# Altium PCB POETIC_Processor_V2a.PcbDoc (part 2 of 3) (continued)
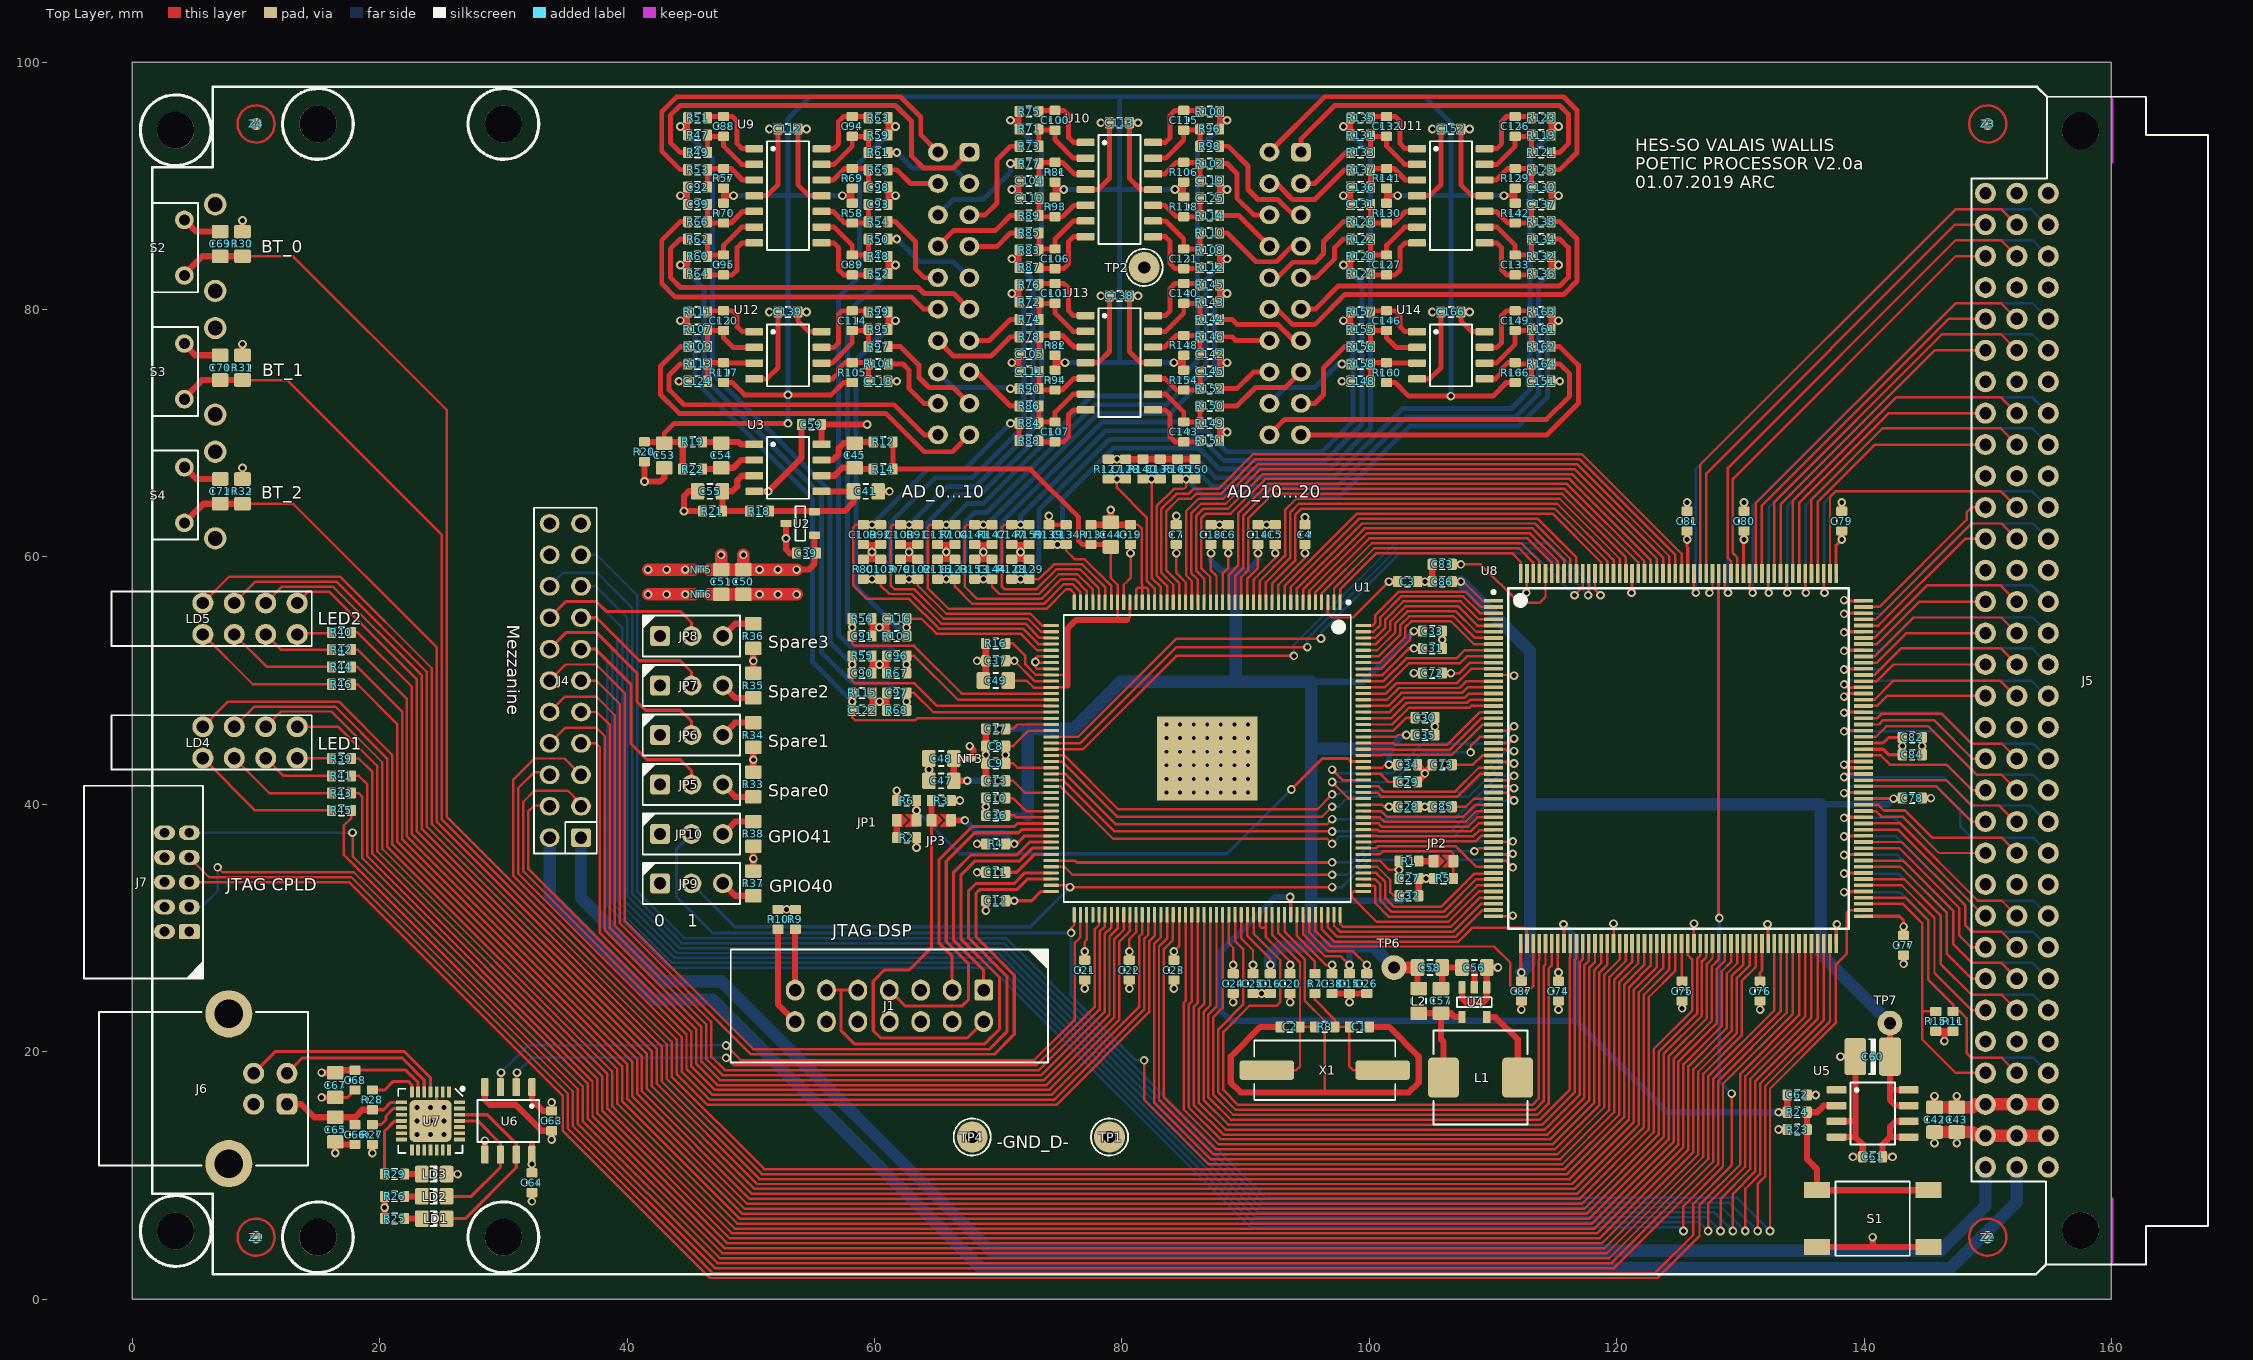
[diagram p0: Top Layer view]
## Nets (pads, with @x,y where several pads share a name; then routed paths per layer and width w, separated by ;. In a path a pad name is that pad's centre, name@x,y a point inside that pad or via, vN(x,y) a via of type N, cw(c..) or ccw(c..) an arc to the next point about the centre after c; other vN are vias at no path point) (continued)
BP_GPIO_11: J5.A27 U8.112 | length 24.9
  Top Layer w0.25: v1(138.4,34.4) 138.45,34.45 U8.112@139.95,34.45
  Bottom Layer w0.2: v1(138.4,34.4) 142.8,34.4 146.2,31 146.2,27.1 148.7,24.6 153.66,24.6 J5.A27@154.9,23.36
BP_GPIO_13: J5.B14 U8.150 | length 14.7
  Top Layer w0.2: U8.150@139.95,53.45 140.85,53.45 145.1,57.7 151.04,57.7 J5.B14@152.36,56.38
BP_GPIO_14: J5.B15 U8.147 | length 14.2
  Top Layer w0.2: U8.147@139.95,51.95 140.85,51.95 144,55.1 151.1,55.1 J5.B15@152.36,53.84
BP_GPIO_15: J5.B16 U8.144 | length 13.8
  Top Layer w0.2: U8.144@139.95,50.45 140.85,50.45 143,52.6 151.06,52.6 J5.B16@152.36,51.3
BP_GPIO_16: J5.B17 U8.140 | length 13.6
  Top Layer w0.2: U8.140@139.95,48.45 140.85,48.45 142.4,50 150.98,50 J5.B17@152.36,48.62
BP_GPIO_17: J5.B19 U8.137 | length 14.1
  Top Layer w0.2: U8.137@139.95,46.95 141.05,46.95 141.4,47.3 146.3,47.3 148.7,44.9 151.14,44.9 J5.B19@152.36,43.68
BP_GPIO_18: J5.B20 U8.134 | length 14.9
  Top Layer w0.2: U8.134@139.95,45.45 140.95,45.45 141.8,46.3 145.2,46.3 149.1,42.4 151.1,42.4 J5.B20@152.36,41.14
BP_GPIO_19: J5.B21 U8.127 | length 13.9
  Top Layer w0.2: U8.127@139.95,41.95 146.65,41.95 148.7,39.9 150.92,39.9 J5.B21@152.36,38.46
BP_GPIO_20: J5.B22 U8.123 | length 14
  Top Layer w0.2: U8.123@139.95,39.95 141.15,39.95 141.6,39.5 ; 143.3,39.5 145.5,37.3 151.12,37.3 J5.B22@152.36,36.06
  Top Layer w0.25: 141.6,39.5 143.3,39.5
BP_GPIO_21: J5.B24 U8.120 | length 15.5
  Top Layer w0.2: U8.120@139.95,38.45 142.95,38.45 149.2,32.2 151.14,32.2 J5.B24@152.36,30.98
BP_GPIO_22: J5.B25 U8.117 | length 16.9
  Top Layer w0.2: U8.117@139.95,36.95 143.05,36.95 148.2,31.8 148.2,30.2 148.7,29.7 151.1,29.7 J5.B25@152.36,28.44
BP_GPIO_23: J5.B26 U8.114 | length 17.9
  Top Layer w0.2: U8.114@139.95,35.45 143.15,35.45 147.2,31.4 147.2,28.7 148.7,27.2 151.06,27.2 J5.B26@152.36,25.9
BP_GPIO_24: J5.B27 U8.111 | length 19.1
  Top Layer w0.2: U8.111@139.95,33.95 143.25,33.95 146.2,31 146.2,27.1 148.7,24.6 151.12,24.6 J5.B27@152.36,23.36
BP_GPIO_26: J5.C14 U8.149 | length 11.3
  Top Layer w0.2: U8.149@139.95,52.95 141.05,52.95 144.48,56.38 J5.C14@149.82,56.38
BP_GPIO_27: J5.C15 U8.146 | length 10.9
  Top Layer w0.2: U8.146@139.95,51.45 141.05,51.45 143.44,53.84 J5.C15@149.82,53.84
BP_GPIO_28: J5.C16 U8.143 | length 10.4
  Top Layer w0.2: U8.143@139.95,49.95 141.05,49.95 142.4,51.3 J5.C16@149.82,51.3
BP_GPIO_29: J5.C17 U8.139 | length 10.2
  Top Layer w0.2: U8.139@139.95,47.95 141.05,47.95 141.86,48.76 J5.C17@149.82,48.76
BP_GPIO_30: J5.C19 U8.136 | length 11.3
  Top Layer w0.2: U8.136@139.95,46.45 141.2,46.45 141.55,46.8 145.66,46.8 148.78,43.68 J5.C19@149.82,43.68
BP_GPIO_31: J5.C20 U8.131 | length 11
  Top Layer w0.2: U8.131@139.95,43.95 141.35,43.95 142.1,43.2 146.68,43.2 148.74,41.14 J5.C20@149.82,41.14
BP_GPIO_32: J5.C21 U8.126 | length 11.1
  Top Layer w0.2: U8.126@139.95,41.45 145.85,41.45 148.7,38.6 J5.C21@149.82,38.6
BP_GPIO_33: J5.C22 U8.122 | length 11.3
  Top Layer w0.2: U8.122@139.95,39.45 140.95,39.45 141.4,39 143.1,39 146.04,36.06 J5.C22@149.82,36.06
BP_GPIO_34: J5.C24 U8.119 | length 12.8
  Top Layer w0.2: U8.119@139.95,37.95 142.75,37.95 149.72,30.98 J5.C24@149.82,30.98
BP_GPIO_35: J5.C25 U8.116 | length 14.5
  Top Layer w0.2: U8.116@139.95,36.45 142.85,36.45 147.7,31.6 147.7,29.4 148.66,28.44 J5.C25@149.82,28.44
BP_GPIO_36: J5.C26 U8.113 | length 15.6
  Top Layer w0.2: U8.113@139.95,34.95 142.95,34.95 146.7,31.2 146.7,27.9 148.7,25.9 J5.C26@149.82,25.9
BP_PWM1A: J5.A2 U8.180 | length 49.4
  Top Layer w0.2: U8.180@126.25,58.65 126.25,57.25 v1(126.4,57.1)
  Bottom Layer w0.2: v1(126.4,57.1) 126.4,67.1 147.4,88.1 153.52,88.1 J5.A2@154.9,86.72
BP_PWM1B: J5.A3 U8.175 | length 45.8
  Top Layer w0.2: U8.175@128.75,58.65 128.75,57.35 v1(129,57.1)
  Bottom Layer w0.2: v1(129,57.1) 129,67.2 147.4,85.6 153.62,85.6 J5.A3@154.9,84.32
BP_PWM2A: J5.A5 U8.171 | length 39.9
  Top Layer w0.2: U8.171@130.75,58.65 130.75,57.35 v1(131,57.1)
  Bottom Layer w0.2: v1(131,57.1) 131,64.1 147.4,80.5 153.64,80.5 J5.A5@154.9,79.24
BP_PWM2B: J5.A6 U8.168 | length 37.4
  Top Layer w0.2: U8.168@132.25,58.65 132.25,57.15 v1(132.3,57.1)
  Bottom Layer w0.2: v1(132.3,57.1) 132.3,64 146.3,78 153.6,78 J5.A6@154.9,76.7
BP_PWM3A: J5.A8 U8.165 | length 33.8
  Top Layer w0.2: U8.165@133.75,58.65 133.75,57.15 v1(133.8,57.1)
  Bottom Layer w0.2: v1(133.8,57.1) 133.8,64.1 142.6,72.9 153.62,72.9 J5.A8@154.9,71.62
BP_PWM3B: J5.A9 U8.162 | length 31.4
  Top Layer w0.2: U8.162@135.25,58.65 135.25,57.15 v1(135.3,57.1)
  Bottom Layer w0.2: v1(135.3,57.1) 135.3,64.2 141.5,70.4 153.58,70.4 J5.A9@154.9,69.08
BP_PWM4A: J5.A11 U8.159 | length 27.9
  Top Layer w0.2: U8.159@136.75,58.65 136.75,57.15 v1(136.8,57.1)
  Bottom Layer w0.2: v1(136.8,57.1) 136.8,64.4 137.7,65.3 153.6,65.3 J5.A11@154.9,64
BP_PWM4B: J5.A12 U8.154 | length 21.6
  Top Layer w0.25: v1(138.4,55.4) 138.45,55.45 U8.154@139.95,55.45
  Bottom Layer w0.2: v1(138.4,55.4) 141.4,55.4 148.7,62.7 153.66,62.7 J5.A12@154.9,61.46
BP_PWM5A: J5.B2 U8.179 | length 43.5
  Top Layer w0.2: U8.179@126.75,58.65 126.75,67.45 147.4,88.1 151.12,88.1 J5.B2@152.36,86.86
BP_PWM5B: J5.B3 U8.174 | length 40.2
  Top Layer w0.2: U8.174@129.25,58.65 129.25,59.65 129,59.9 129,67.2 147.4,85.6 151.08,85.6 J5.B3@152.36,84.32
BP_PWM6A: J5.B5 U8.170 | length 34
  Top Layer w0.2: U8.170@131.25,58.65 131.25,64.35 147.4,80.5 151.1,80.5 J5.B5@152.36,79.24
BP_PWM6B: J5.B6 U8.167 | length 31.6
  Top Layer w0.2: U8.167@132.75,58.65 132.75,64.45 146.3,78 151.06,78 J5.B6@152.36,76.7
BP_PWM7A: J5.B8 U8.164 | length 28
  Top Layer w0.2: U8.164@134.25,58.65 134.25,64.55 142.6,72.9 151.08,72.9 J5.B8@152.36,71.62
BP_PWM7B: J5.B9 U8.161 | length 25.5
  Top Layer w0.2: U8.161@135.75,58.65 135.75,64.65 141.5,70.4 151.04,70.4 J5.B9@152.36,69.08
BP_PWM8A: J5.B11 U8.158 | length 22
  Top Layer w0.2: U8.158@137.25,58.65 137.25,64.85 137.7,65.3 151.06,65.3 J5.B11@152.36,64
BP_PWM8B: J5.B12 U8.153 | length 16.1
  Top Layer w0.2: U8.153@139.95,54.95 140.95,54.95 148.7,62.7 151.12,62.7 J5.B12@152.36,61.46
BP_PWM9A: J5.C2 U8.178 | length 39
  Top Layer w0.2: U8.178@127.25,58.65 127.25,66.75 147.36,86.86 J5.C2@149.82,86.86
BP_PWM9B: J5.C3 U8.173 | length 35.7
  Top Layer w0.2: U8.173@129.75,58.65 129.75,59.95 129.4,60.3 129.4,66.3 147.42,84.32 J5.C3@149.82,84.32
BP_PWM10A: J5.C5 U8.169 | length 29.8
  Top Layer w0.2: U8.169@131.75,58.65 131.75,64.15 146.84,79.24 J5.C5@149.82,79.24
BP_PWM10B: J5.C6 U8.166 | length 27.3
  Top Layer w0.2: U8.166@133.25,58.65 133.25,64.25 145.7,76.7 J5.C6@149.82,76.7 ; J5.C6@149.81,76.55 J5.C6@149.82,76.56
BP_PWM11A: J5.C8 U8.163 | length 23.8
  Top Layer w0.2: U8.163@134.75,58.65 134.75,64.35 142.02,71.62 J5.C8@149.82,71.62
BP_PWM11B: J5.C9 U8.160 | length 21.3
  Top Layer w0.2: U8.160@136.25,58.65 136.25,64.45 140.88,69.08 J5.C9@149.82,69.08
BP_PWM12A: J5.C11 U8.155 | length 13.6
  Top Layer w0.2: U8.155@139.95,55.95 141.25,55.95 148.3,63 148.3,63.6 148.7,64 J5.C11@149.82,64
BP_PWM12B_BN_PWM: J5.C12 U8.152 | length 13
  Top Layer w0.2: U8.152@139.95,54.45 141.15,54.45 148.16,61.46 J5.C12@149.68,61.46 ; J5.C12@149.82,61.32 J5.C12@149.68,61.46 ; J5.C12@149.82,61.46 J5.C12@149.68,61.46
CPLD_TCK: J7.5 U8.98 | length 165.4
  Top Layer w0.2: J7.5@4.6,33.7 17.5,33.7 34.8,16.4 34.8,13.6 46.7,1.7 123.3,1.7 126.7,5.1 126.7,7.6 130,10.9 130,18.2 134.75,22.95 U8.98@134.75,28.75
CPLD_TDI: J7.9 U8.94 | length 162.8
  Top Layer w0.2: v1(17.8,37.7) 17.8,35.8 36.4,17.2 36.4,14.4 47.5,3.3 119.4,3.3 127.4,11.3 127.4,18 132.75,23.35 U8.94@132.75,28.75
  Bottom Layer w0.2: J7.9@4.6,37.7 v1(17.8,37.7)
CPLD_TDO: J7.7 U8.176 | length 193.6
  Top Layer w0.2: J7.7@4.6,35.7 6.2,34.1 17.7,34.1 35.2,16.6 35.2,13.8 46.9,2.1 123.1,2.1 126.2,5.2 126.2,7.7 129.3,10.8 v1(129.3,16.6)
  Top Layer w0.25: U8.176@128.25,58.65 128.25,30.85 v1(128.3,30.8)
  Bottom Layer w0.25: v1(128.3,30.8) 128.3,17.6 v1(129.3,16.6)
CPLD_TMS: J7.3 U8.96 | length 164.7
  Top Layer w0.2: v1(6.9,34.9) 7.3,34.5 17.9,34.5 35.6,16.8 35.6,14 47.1,2.5 119.8,2.5 128.2,10.9 128.2,17.6 133.75,23.15 U8.96@133.75,28.75
  Bottom Layer w0.2: J7.3@4.6,31.7 5.6,31.7 6.9,33 v1(6.9,34.9)
D+: J6.3 U7.4 | length 17
  Top Layer w0.25: J6.3@9.8,18.25 11.55,20 22,20 24.1,17.9 U7.4@24.1,16.75
D-: J6.2 U7.5 | length 13.3
  Top Layer w0.25: J6.2@12.5,18.25 13.75,19.5 21.8,19.5 23.6,17.7 U7.5@23.6,16.75
D\S\P\_\T\R\S\T\: JP3.2 R4.2 U1.79 | length 8.9
  Top Layer w0.25: v1(71.3,36.8) 71.5,36.8 72.15,37.45 U1.79@74.275,37.45
  Top Layer w0.5: JP3.2@66.4,38.7 v1(67.3,38.7)
  Bottom Layer w0.5: v1(67.3,38.7) 68.35,37.65 70.45,37.65 v1(71.3,36.8)
DAC_A: 
DAC_B: 
DAC_C: 
DAC_D: 
DAC_OUT_A: 
DAC_OUT_B: 
DAC_OUT_C: 
DAC_OUT_D: 
DSP_CLK_OUT: U1.140 U8.44 | length 11.3
  Top Layer w0.2: U1.140@99.525,36.45 100.55,36.45 100.7,36.6 107,36.6 108.67,34.93 110.03,34.93 U8.44@110.05,34.95
DSP_PWM1A: U1.160 U8.18 | length 11.2
  Top Layer w0.2: U1.160@99.5,46.425 U1.160@99.525,46.45 101.85,46.45 103.2,47.8 108.1,47.8 108.25,47.95 U8.18@110.05,47.95
DSP_PWM1B: U1.161 U8.17 | length 11.1
  Top Layer w0.2: U1.161@99.525,46.95 101.75,46.95 103,48.2 107.9,48.2 108.15,48.45 U8.17@110.05,48.45
DSP_PWM2A: U1.162 U8.16 | length 11.1
  Top Layer w0.2: U1.162@99.525,47.45 101.65,47.45 102.8,48.6 107.7,48.6 108.05,48.95 U8.16@110.05,48.95
DSP_PWM2B: U1.163 U8.15 | length 11.1
  Top Layer w0.2: U1.163@99.525,47.95 101.55,47.95 102.6,49 107.5,49 107.95,49.45 U8.15@110.05,49.45
DSP_PWM3A: U1.164 U8.14 | length 11.1
  Top Layer w0.2: U1.164@99.525,48.45 101.45,48.45 102.4,49.4 107.3,49.4 107.85,49.95 U8.14@110.05,49.95
DSP_PWM3B: U1.165 U8.12 | length 11.4
  Top Layer w0.2: U1.165@99.525,48.95 101.35,48.95 102.2,49.8 107.1,49.8 108.25,50.95 U8.12@110.05,50.95
DSP_PWM4A: U1.166 U8.10 | length 11.6
  Top Layer w0.2: U1.166@99.525,49.45 101.25,49.45 103.2,51.4 107.35,51.4 107.9,51.95 U8.10@110.05,51.95
DSP_PWM4B: U1.167 U8.9 | length 11.6
  Top Layer w0.2: U1.167@99.525,49.95 101.15,49.95 103,51.8 107.05,51.8 107.7,52.45 U8.9@110.05,52.45
DSP_PWM5A: U1.18 U8.189 | length 43.5
  Top Layer w0.2: U1.18@89.15,56.325 89.15,58.45 89.8,59.1 89.8,63.3 92,65.5 115.8,65.5 121.75,59.55 U8.189@121.75,58.65
DSP_PWM5B: U1.19 U8.188 | length 44.9
  Top Layer w0.2: U1.19@88.65,56.325 88.65,58.55 89.4,59.3 89.4,63.5 91.8,65.9 116,65.9 122.25,59.65 U8.188@122.25,58.65
DSP_PWM6A: U1.1 U8.208 | length 18.1
  Top Layer w0.2: U1.1@97.65,56.325 97.65,57.35 100.6,60.3 111.525,60.3 112.25,59.575 U8.208@112.25,58.65
DSP_PWM6B: U1.2 U8.206 | length 19.9
  Top Layer w0.2: U1.2@97.15,56.325 97.15,57.45 100.4,60.7 112.1,60.7 113.25,59.55 U8.206@113.25,58.65
DSP_PWM7A: U1.4 U8.205 | length 21.6
  Top Layer w0.2: U1.4@96.15,56.325 96.15,57.05 100.2,61.1 112.3,61.1 113.75,59.65 U8.205@113.75,58.65
DSP_PWM7B: U1.5 U8.203 | length 23.4
  Top Layer w0.2: U1.5@95.65,56.325 95.65,57.15 100,61.5 112.8,61.5 114.75,59.55 U8.203@114.75,58.65
DSP_PWM8A: U1.6 U8.202 | length 24.9
  Top Layer w0.2: U1.6@95.15,56.325 95.15,57.25 99.8,61.9 113,61.9 115.25,59.65 U8.202@115.25,58.65
DSP_PWM8B: U1.7 U8.201 | length 26.3
  Top Layer w0.2: U1.7@94.65,56.325 94.65,57.35 99.6,62.3 113.2,62.3 115.75,59.75 U8.201@115.75,58.65
DSP_PWM9A: U1.8 U8.200 | length 27.8
  Top Layer w0.2: U1.8@94.15,56.325 94.15,57.45 99.4,62.7 113.4,62.7 116.25,59.85 U8.200@116.25,58.65
DSP_PWM9B: U1.9 U8.199 | length 29.2
  Top Layer w0.2: U1.9@93.65,56.325 93.65,57.55 99.2,63.1 113.6,63.1 116.75,59.95 U8.199@116.75,58.65
DSP_PWM10A: U1.10 U8.195 | length 31.9
  Top Layer w0.2: U1.10@93.15,56.325 93.15,57.65 99,63.5 114.82,63.5 118.75,59.57 U8.195@118.75,58.65
DSP_PWM10B: U1.12 U8.194 | length 36.1
  Top Layer w0.2: U1.12@92.15,56.325 92.15,57.85 94,59.7 94,63.39 94.51,63.9 115,63.9 119.25,59.65 U8.194@119.25,58.65
DSP_PWM11A: U1.13 U8.193 | length 37.5
  Top Layer w0.2: U1.13@91.65,56.325 91.65,57.95 93.6,59.9 93.6,63.6 94.3,64.3 115.2,64.3 119.75,59.75 U8.193@119.75,58.65
DSP_PWM11B: U1.14 U8.192 | length 39
  Top Layer w0.2: U1.14@91.15,56.325 91.15,58.05 93.2,60.1 93.2,63.8 94.1,64.7 115.4,64.7 120.25,59.85 U8.192@120.25,58.65
DSP_PWM12A: U1.22 U8.187 | length 48.6
  Top Layer w0.2: U1.22@87.15,56.325 87.15,58.35 86.4,59.1 86.4,63.1 86.8,63.5 88.8,63.5 91.6,66.3 116.2,66.3 122.75,59.75 U8.187@122.75,58.65
DSP_PWM12B: U1.23 U8.186 | length 49.9
  Top Layer w0.2: U1.23@86.65,56.325 86.65,58.25 86,58.9 86,63.3 86.6,63.9 88.6,63.9 91.4,66.7 116.4,66.7 123.25,59.85 U8.186@123.25,58.65
DSP_TCK: J1.9 J1.11 U1.81 | length 41.5
  Top Layer w0.25: J1.11@56.12,24.97 57.3,24.97 ; J1.9@58.66,24.97 57.3,24.97 ; U1.81@74.275,36.45 72.75,36.45 71.7,35.4 68.1,35.4 67,34.3 67,29.1 70.1,26 70.1,21.8 68.925,20.625 58.375,20.625 57.3,21.7 57.3,24.97
DSP_TDI: J1.3 U1.77 | length 21.3
  Top Layer w0.25: J1.3@66.28,24.97 66.28,27.72 65.2,28.8 65.2,35.5 67.9,38.2 71.3,38.2 71.55,38.45 U1.77@74.275,38.45
DSP_TDO: J1.7 U1.78 | length 28.6
  Top Layer w0.25: J1.7@61.2,24.97 62.47,23.7 67.1,23.7 67.6,24.2 67.6,27.1 65.8,28.9 65.8,35.4 68.1,37.7 71.636,37.7 71.886,37.95 U1.78@74.275,37.95
DSP_TMS: J1.1 U1.80 | length 19.4
  Top Layer w0.25: J1.1@68.82,24.97 68.82,26.58 66.4,29 66.4,34.5 67.8,35.9 71.5,35.9 72.55,36.95 U1.80@74.275,36.95
GND_+24V_BP: J4.2 J5.B32 | length 140.8
  Bottom Layer w1: J4.2@33.73,37.3 33.73,32.57 42.1,24.2 46.9,24.2 68.6,2.5 147,2.5 152.36,7.86 J5.B32@152.36,10.66
GND_A: C19.1 C37.1 C39.1 C41.1 C44.1 C49.1 C50.2 C51.2 C53.1 C55.1 C59.1 C90.1 C91.1 C92.1 C93.1 C96.1 C97.1 C98.1 C99.1 C102.1 C103.1 C104.1 C105.1 C108.1 C109.1 C110.1 C111.1 C112.1 C113.1 C116.1 C117.1 C118.1 C119.1 C122.1 C123.1 C124.1 C125.1 C128.1 C129.1 C130.1 C131.1 C134.1 C135.1 C136.1 C137.1 C138.1 C139.1 C141.1 C142.1 C144.1 C145.1 C147.1 C148.1 C150.1 C151.1 C152.1 C166.1 NT6.2 R13.2 R16.2 R20.2 R21.2 R55.2 R56.2 R67.2 R68.2 R79.2 R80.2 R91.2 R92.2 R103.2 R104.2 R115.2 R116.2 R127.2 R128.2 R139.2 R140.2 R147.2 R153.2 R159.2 R165.2 TP2.1 U1.32 U1.33 U1.34 U1.50 U1.51 U1.52 U2.3 U3.4 U9.11 U10.11 U11.11 U12.4 U13.11 U14.4 | length 156
  Top Layer w0.2: U1.52@74.275,50.95 73.15,50.95 73.05,51.05 v1@73.05,51.45 ; U1.51@74.275,51.45 v1@73.05,51.45 ; U1.50@74.275,51.95 73.15,51.95 73,51.8 v1(73,51.5) v1@73.05,51.45 ; C19.1@80.7,62.6 81.3,62.6 81.6,62.3 81.6,57.8 81.65,57.75 81.65,57.5 ; U1.34@81.15,56.325 81.15,57.35 81.3,57.5 81.65,57.5 ; U1.33@81.65,56.325 81.65,57.5 ; U1.32@82.15,56.325 82.15,57.35 82,57.5 81.65,57.5
  Top Layer w0.4: v1(44.2,74.2) C124.1@44.9,74.2 ; v1(44.3,89.2) 44.9,89.2 ; C99.1@44.9,88.5 44.9,89.2 ; C92.1@44.9,89.9 44.9,89.2 ; U12.4@50.275,74.395 51.295,74.395 52.2,75.3 C139.1@52.2,79.8 v1(51.5,79.8) ; v1(54.5,94.6) C112.1@53.8,94.6 53.8,90.1 54.7,89.2 U9.11@55.725,89.2 ; R80.2@59.1,59.8 59.8,59.8 ; C109.1@59.1,61 59.8,61 ; C122.1@59.8,47.6 59.8,48.3 ; R115.2@59.8,49 59.8,48.3 ; C90.1@59.8,50.6 59.8,51.3 ; R55.2@59.8,52 59.8,51.3 ; C91.1@59.8,53.6 59.8,54.3 ; R56.2@59.8,55 59.8,54.3 ; C103.1@60.5,59.8 59.8,59.8 ; R92.2@60.5,61 59.8,61 ; R68.2@61,47.6 61,48.3 ; C97.1@61,49 61,48.3 ; R67.2@61,50.6 61,51.3 ; C96.1@61,52 61,51.3 ; R103.2@61,53.6 61,54.3 ; C116.1@61,55 61,54.3 ; C118.1@61.1,74.2 v1(61.8,74.2) v1@61.8,74.1 ; C93.1@61.1,88.5 61.1,89.2 ; C98.1@61.1,89.9 61.1,89.2 ; v1(61.7,89.2) 61.1,89.2 ; R79.2@62.1,59.8 62.8,59.8 ; C108.1@62.1,61 62.8,61 ; C102.1@63.5,59.8 62.8,59.8 ; R91.2@63.5,61 62.8,61 ; R116.2@65.1,59.8 65.8,59.8 ; C117.1@65.1,61 65.8,61 ; C123.1@66.5,59.8 65.8,59.8 ; R104.2@66.5,61 65.8,61 ; R153.2@68.1,59.8 68.8,59.8 ; C141.1@68.1,61 68.8,61 ; C144.1@69.5,59.8 68.8,59.8 ; R147.2@69.5,61 68.8,61 ; R128.2@71.1,59.8 71.8,59.8 ; C147.1@71.1,61 71.8,61 ; v1(71.1,75.7) 71.7,75.7 C111.1@71.7,75 C105.1@71.7,76.4 ; v1(71.1,89.7) 71.7,89.7 ; C110.1@71.7,89 71.7,89.7 ; C104.1@71.7,90.4 71.7,89.7 ; C129.1@72.5,59.8 71.8,59.8 ; R159.2@72.5,61 71.8,61 ; v1(74.1,63.3) R139.2@74.1,62.6 C134.1@75.5,62.6 ; v1(81.3,81.1) C138.1@80.6,81.1 80.6,76.6 81.5,75.7 U13.11@82.525,75.7 ; v1(81.3,95.1) C113.1@80.6,95.1 80.6,90.6 81.5,89.7 U10.11@82.523,89.7 ; C142.1@87.9,76.4 C145.1@87.9,75 87.9,75.7 v1(88.5,75.7) ; C125.1@87.9,89 87.9,89.7 ; C119.1@87.9,90.4 87.9,89.7 ; v1(88.5,89.7) 87.9,89.7 ; v1(97.8,74.2) C148.1@98.5,74.2 ; v1(97.9,89.2) 98.5,89.2 ; C131.1@98.5,88.5 98.5,89.2 ; C136.1@98.5,89.9 98.5,89.2 ; U14.4@103.875,74.395 104.895,74.395 105.8,75.3 C166.1@105.8,79.8 v1(105.1,79.8) ; v1(108.1,94.6) C152.1@107.4,94.6 107.4,90.1 108.3,89.2 U11.11@109.325,89.2 ; C151.1@114.7,74.2 v1(115.4,74.2) ; C137.1@114.7,88.5 114.7,89.2 ; C130.1@114.7,89.9 114.7,89.2 ; v1(115.3,89.2) 114.7,89.2 ; 59.8,48.3 v1(60.4,48.3) 61,48.3 ; 59.8,51.3 v1(60.4,51.3) 61,51.3 ; 59.8,54.3 v1(60.4,54.3) 61,54.3 ; 59.8,59.8 v1(59.8,60.4) 59.8,61 ; 62.8,59.8 v1(62.8,60.4) 62.8,61 ; 65.8,59.8 v1(65.8,60.4) 65.8,61 ; 68.8,59.8 v1(68.8,60.4) 68.8,61 ; 71.8,59.8 v1(71.8,60.4) 71.8,61
  Top Layer w0.5: R20.2@41.4,67.7 v1(41.4,66.1) 42.7,66.1 43,66.4 C53.1@43,67.2 ; C55.1@45.7,65.3 45,65.3 44.6,64.9 v1(44.6,63.7) R21.2@46.1,63.7 ; U3.4@50.275,65.295 v1@51.4,65.295 ; v1(51.4,65.3) 54.1,68 C59.1@54.1,70.7 ; U2.3@52.85,62.7 v1(52.85,61.5) 52.85,60.6 53.15,60.3 C39.1@53.7,60.3 ; C41.1@60.3,65.295 v1(61.2,65.295) ; v1(68.3,51.6) C37.1@69,51.6 ; C49.1@68.8,50 69,50.2 C37.1@69,51.6 ; R16.2@69,53 C37.1@69,51.6 ; R13.2@77.5,62.6 79.1,62.6 C19.1@80.7,62.6 ; R127.2@78.9,67.9 C128.1@80.3,67.9 R140.2@81.7,67.9 C135.1@83.1,67.9 R165.2@84.5,67.9 C150.1@85.9,67.9 ; C44.1@79.1,62.8 v1(79.1,63.8)
  Top Layer w1: 46.6,56.97 C50.2@49.4,56.97 v1(50.7,56.97) v1(52.2,56.97) v1(53.7,56.97)
  other v1: 79.6,67.9
GND_D: C3.1 C4.1 C5.1 C6.1 C7.1 C8.1 C9.1 C10.1 C11.1 C12.1 C13.1 C14.1 C15.1 C16.1 C17.1 C18.1 C20.1 C21.1 C22.1 C23.1 C24.1 C25.1 C26.1 C27.1 C28.1 C29.1 C30.1 C31.1 C32.1 C33.1 C34.1 C35.1 C36.1 C38.1 C42.2 C43.2 C47.2 C48.2 C56.1 C57.1 C58.1 C60.2 C61.2 C62.1 C63.1 C69.1 C70.1 C71.1 C72.1 C73.1 C74.1 C75.1 C76.1 C77.1 C78.1 C79.1 C80.1 C81.1 C82.1 C83.1 C84.1 C85.1 C86.1 C87.1 J1.4 J1.8 J1.10 J1.12 J4.21 J4.22 J5.A1 J5.A4 J5.A7 J5.A10 J5.A13 J5.A18 J5.A23 J5.A28 J5.A30 J5.B1 J5.B4 J5.B7 J5.B10 J5.B13 J5.B18 J5.B23 J5.B28 J5.B30 J5.C1 J5.C4 J5.C7 J5.C10 J5.C13 J5.C18 J5.C23 J5.C28 J5.C30 J7.10 JP5.1 JP6.1 JP7.1 JP8.1 JP9.1 JP10.1 NT6.1 R3.1 R4.1 R5.1 R6.1 S1.1 S1.2 S2.1 S3.1 S4.1 TP1.1 TP4.1 U1.0 U4.2 U5.3 U5.4 U6.4 U8.13 U8.24 U8.42 U8.52 U8.68 U8.81 U8.93 U8.104 U8.129 U8.130 U8.141 U8.156 U8.177 U8.190 U8.207 | length 128.7
  Top Layer w0.2: U8.52@110.05,30.95 111.55,30.95 v1(111.6,31) ; U8.13@110.05,50.45 111.65,50.45 v1(111.7,50.4) ; v1(112.7,57.1) 112.75,57.15 U8.207@112.75,58.65 ; U8.68@119.75,28.75 v1(119.75,30.35) ; U8.81@126.25,28.75 v1(126.25,30.35) ; v1(127.5,57.1) 127.75,57.35 U8.177@127.75,58.65
  Top Layer w0.25: U8.42@110.05,35.95 111.55,35.95 v1(111.6,36) ; U8.24@110.05,44.95 111.325,44.95 111.675,45.3 v1(111.7,45.3) ; v1(121.2,57.1) 121.25,57.15 U8.190@121.25,58.65 ; v1(127.5,57.1) v1@127.7,57.1 ; v1(132.2,30.3) 132.25,30.35 U8.93@132.25,28.75 ; v1(138.4,48.7) 138.65,48.95 U8.141@139.95,48.95 ; v1(138.4,56.5) 138.45,56.45 U8.156@139.95,56.45 ; U8.129@139.95,42.95 138.65,42.95 v1(138.4,43.2) 138.65,43.45 U8.130@139.95,43.45
  Top Layer w0.256: U8.104@137.75,28.75 137.75,30.25 v1(137.8,30.3)
  Top Layer w0.5: S3.1@4.07,77.3 5.07,76.3 5.1,76.3 C70.1@7.1,76.3 ; S4.1@4.17,67.3 5.17,66.3 C71.1@7.1,66.3 ; S2.1@4.17,87.3 5.17,86.3 C69.1@7.1,86.3 ; U6.4@28.495,17.125 28.495,16.105 28.9,15.7 31,15.7 33.1,13.6 C63.1@33.9,13.6 v1(33.9,12.9) ; R6.1@61.8,40.3 v1(61.8,41.1) v1@61.8,41.2 ; C47.2@64.4,41.9 v1(64.4,42.8) C48.2@64.4,43.7 ; R3.1@66.2,40.3 v1(66.9,40.3) ; v1(68.3,34.5) C11.1@69,34.5 ; v1(68.3,36.8) R4.1@69,36.8 ; v1(69,31.4) C12.1@69,32.2 ; C36.1@69,39.1 C10.1@69,40.5 ; C13.1@69,41.9 C9.1@69,43.3 ; v1(69,44) C8.1@69,44.7 ; C17.1@69,46.1 C8.1@69,44.7 ; C8.1@69.2,44.9 C8.1@69,44.7 ; v1(77,25.1) C21.1@77,25.8 ; v1(80.6,25.1) C22.1@80.6,25.8 ; v1(84.2,25.1) C23.1@84.2,25.8 ; C7.1@84.4,62.6 v1(84.4,63.3) ; C18.1@87.2,62.6 C6.1@88.6,62.6 v1(87.9,62.6) ; v1(89,24) C24.1@89,24.7 ; C25.1@90.6,24.7 v1(91.3,24.7) C16.1@92,24.7 ; C14.1@91,62.6 C5.1@92.4,62.6 v1(91.7,62.6) ; v1(93.6,24) C20.1@93.6,24.7 ; C4.1@94.8,62.6 v1(94.8,63.2) ; C38.1@97,24.7 C26.1@99.8,24.7 ; v1(98.4,24) C15.1@98.4,24.7 ; v1(103.6,50.6) C72.1@104.3,50.6 ; C3.1@103.8,58 C3.1@103.9,58 C86.1@105.1,58 C83.1@105.1,59.4 ; C29.1@103.9,41.8 104.5,42.4 v1(104.5,42.5) v1@104.5,42.6 ; C34.1@103.9,43.2 v1@104.5,42.6 ; C32.1@104,32.6 C27.1@104,34 v1(104.6,34) ; v1(105.1,26.8) C58.1@105.9,26.8 ; C73.1@105.1,43.2 v1@104.5,42.6 ; C35.1@105.3,45.6 v1(105.3,46.3) C30.1@105.3,47 ; C57.1@105.8,25.1 105.9,25.2 C58.1@105.9,26.8 ; C31.1@105.9,52.6 v1(105.9,53.3) ; U4.2@108.5,25.2 108.5,26.5 108.2,26.8 C56.1@107.5,26.8 C58.1@105.9,26.8 ; v1(112.3,23.4) C87.1@112.3,24.1 ; v1(115.3,23.4) C74.1@115.3,24.1 ; C81.1@125.7,63.7 v1(125.7,64.4) ; C80.1@130.3,63.7 v1(130.3,64.4) ; v1(131.6,23.4) C76.1@131.6,24.1 ; C62.1@135.4,16.5 v1(136.1,16.5) ; S1.2@136.2,4.2 140.7,4.2 ; U5.4@137.779,13.095 139.3,13.095 ; U5.3@137.779,14.365 139.3,14.365 ; v1(138.1,19.6) C60.2@139.3,19.6 139.3,14.365 ; C79.1@138.2,63.7 v1(138.2,64.4) ; v1(139.1,11.5) C61.2@139.9,11.5 139.9,12.495 139.3,13.095 ; v1(140.7,5) 140.7,4.2 ; v1(143.2,27.1) C77.1@143.2,27.8 ; C78.1@144.7,40.5 v1(145.4,40.5) ; S1.1@145.2,4.2 140.7,4.2 ; C42.2@145.7,15.5 v1(145.7,16.4) ; C43.2@147.5,15.5 v1(147.5,16.4) ; 139.3,13.095 139.3,14.365
  Top Layer w1: v1(41.7,56.97) v1(43.2,56.97) v1(44.7,56.97) 45.4,56.97 ; C42.2@145.7,15.5 C43.2@147.5,15.5 148.8,15.5 149.04,15.74 J5.C30@149.82,15.74 J5.B30@152.36,15.74 J5.A30@154.9,15.74
  other v1: 125.3,23.5 69,39.8 104.5,39.8 144.7,44.7 104.5,58
  other v2: 83.6,40.95 84.7,40.95 85.8,40.95 86.9,40.95 88,40.95 89.1,40.95 90.2,40.95 83.6,42.05 84.7,42.05 85.8,42.05 86.9,42.05 88,42.05 89.1,42.05 90.2,42.05 83.6,43.15 84.7,43.15 85.8,43.15 86.9,43.15 88,43.15 89.1,43.15 90.2,43.15 83.6,44.25 84.7,44.25 85.8,44.25 86.9,44.25 88,44.25 89.1,44.25 90.2,44.25 83.6,45.35 84.7,45.35 85.8,45.35 86.9,45.35 88,45.35 89.1,45.35 90.2,45.35 83.6,46.45 84.7,46.45 85.8,46.45 86.9,46.45 88,46.45 89.1,46.45 90.2,46.45
GND_OSC: C1.1 C2.1 U1.122 | length 46
  Top Layer w0.2: U1.122@92.65,31.075 92.65,29.586 94.8,27.436 94.8,24.1 96.4,22.5 96.4,16.7
  Top Layer w0.5: C2.1@92.8,22 91.2,22 88.8,19.6 88.8,17.5 89.6,16.7 96.4,16.7 103.2,16.7 104,17.5 104,19.6 101.6,22 C1.1@100,22
GND_USB: C64.1 C65.1 C66.1 C67.1 C68.1 J6.4 J6.5 J6.6 LD3.1 U6.5 U7.0 U7.3 | length 10.7
  Top Layer w0.25: C67.1@16.4,16.3 17.4,16.3 C68.1@18,16.9 ; v1(24.1,14.4) 24.6,14.9 U7.3@24.6,16.75
  Top Layer w0.5: v1(15.3,16.3) C67.1@16.4,16.3 ; v1(16.4,11.8) C65.1@16.4,12.5 ; C65.1@16.4,12.7 C65.1@16.4,12.5 ; C66.1@18,12.5 C65.1@16.4,12.5 ; LD3.1@25.4,10.1 v1(26.3,10.1) ; U6.5@28.495,11.675 28.5,11.68 v1(28.5,12.8) ; v1(32.3,7.9) C64.1@32.3,8.6
  other v1: 23,13.3 24.1,13.3 25.2,13.3 23,14.4 25.2,14.4 23,15.5 24.1,15.5 25.2,15.5
GPIO24: U1.24 U8.185 | length 51.3
  Top Layer w0.2: U1.24@86.15,56.325 86.15,58.15 85.6,58.7 85.6,63.5 86.4,64.3 88.4,64.3 91.2,67.1 116.6,67.1 123.75,59.95 U8.185@123.75,58.65
GPIO25: U1.25 U8.184 | length 52.7
  Top Layer w0.2: U1.25@85.65,56.325 85.65,58.05 85.2,58.5 85.2,63.7 86.2,64.7 88.2,64.7 91,67.5 116.8,67.5 124.25,60.05 U8.184@124.25,58.65
GPIO26: U1.27 U8.183 | length 55.4
  Top Layer w0.2: U1.27@84.65,56.325 84.65,57.85 83.6,58.9 83.6,63.7 84.6,64.7 85.6,64.7 86,65.1 88,65.1 90.8,67.9 117,67.9 124.75,60.15 U8.183@124.75,58.65
GPIO27: U1.28 U8.182 | length 56.8
  Top Layer w0.2: U1.28@84.15,56.325 84.15,57.75 83.2,58.7 83.2,63.9 84.4,65.1 85.4,65.1 85.8,65.5 87.8,65.5 90.6,68.3 117.2,68.3 125.25,60.25 U8.182@125.25,58.65
GPIO28: U1.64 U8.197 | length 53.8
  Top Layer w0.2: U1.64@74.275,44.95 76.65,44.95 84.4,52.7 v1(95,52.7) ; v1@117.75,56.8 U8.197@117.75,58.65
  Bottom Layer w0.2: v1(95,52.7) 95,53.4 102.3,60.7 113.9,60.7 v1(117.7,56.9)
GPIO29: U1.65 U8.196 | length 55.5
  Top Layer w0.2: U1.65@74.275,44.45 76.85,44.45 84.4,52 v1(93.9,52) ; U8.196@118.25,58.65 118.25,57.35 v1(118.7,56.9)
  Bottom Layer w0.2: v1(93.9,52) 93.9,52.9 102.1,61.1 114.5,61.1 v1(118.7,56.9)
GPIO30: U1.63 U8.198 | length 52.2
  Top Layer w0.2: U1.63@74.275,45.45 76.45,45.45 84.4,53.4 v1(96.1,53.4) ; v1(116.6,56.9) 117.25,57.55 U8.198@117.25,58.65
  Bottom Layer w0.2: v1(96.1,53.4) 96.1,53.9 102.5,60.3 113.2,60.3 v1(116.6,56.9)
GPIO31: U1.66 U8.25 | length 42.9
  Top Layer w0.2: U1.66@74.275,43.95 75.35,43.95 79.7,39.6 95.8,39.6 v1(97,40.8) ; U8.25@110.05,44.45 111.05,44.45 111.2,44.3 v1(111.7,44.3)
  Bottom Layer w0.2: v1(97,40.8) 97.5,40.8 97.7,41 107.7,41 111,44.3 v1(111.7,44.3)
GPIO32: U1.67 U8.27 | length 42.9
  Top Layer w0.2: U1.67@74.275,43.45 75.15,43.45 79.6,39 96.2,39 v1(97,39.8) v1@97.1,39.8 ; U8.27@110.05,43.45 111.55,43.45 v1(111.7,43.3)
  Bottom Layer w0.2: v1(97,39.8) 97.5,39.8 98.3,40.6 108,40.6 110.7,43.3 v1(111.7,43.3)
GPIO33: U1.69 U8.30 | length 42.6
  Top Layer w0.2: U1.69@74.275,42.45 75.45,42.45 79.5,38.4 96.6,38.4 v1(97,38.8) ; U8.30@110.05,41.95 111.35,41.95 v1(111.7,42.3) v1@111.8,42.3
  Bottom Layer w0.2: v1(97,38.8) 106.9,38.8 110.4,42.3 v1(111.7,42.3)
GPIO34: U1.70 U8.31 | length 42.3
  Top Layer w0.2: U1.70@74.275,41.95 75.25,41.95 79.4,37.8 v1(97,37.8) ; U8.31@110.05,41.45 111.55,41.45 v1(111.7,41.3)
  Bottom Layer w0.2: v1(97,37.8) 106.6,37.8 110.1,41.3 v1(111.7,41.3)
GPIO35: U1.71 U8.32 | length 42.7
  Top Layer w0.2: U1.71@74.275,41.45 75.05,41.45 79.3,37.2 96.6,37.2 v1(97,36.8) ; U8.32@110.05,40.95 111.05,40.95 v1(111.7,40.3)
  Bottom Layer w0.2: v1(97,36.8) 97.6,37.4 106.9,37.4 109.8,40.3 v1(111.7,40.3)
GPIO36: U1.83 U8.40 | length 39.7
  Top Layer w0.2: U1.83@74.275,35.45 76.216,35.45 76.366,35.3 ; U8.40@110.05,36.95 111.55,36.95 v1(111.6,37)
  Top Layer w0.25: 76.366,35.3 v1(97,35.3)
  Bottom Layer w0.2: v1(97,35.3) 98.6,35.3 100.3,37 v1(111.6,37)
GPIO37: U1.84 U8.41 | length 36.9
  Top Layer w0.2: U1.84@74.275,34.95 75.35,34.95 76,34.3 v1(97,34.3) ; v1(108.5,36.2) 108.6,36.2 108.85,36.45 U8.41@110.05,36.45
  Bottom Layer w0.2: v1(97,34.3) 98.2,34.3 100.1,36.2 v1(108.5,36.2)
GPIO40: JP9.2 U1.87 U8.43 | length 73.6
  Top Layer w0.2: U1.87@74.275,33.45 v1@75.8,33.45 ; v1(75.8,33.3) v1(97,33.3) ; U8.43@110.05,35.45 111.05,35.45 v1(111.6,34.9)
  Bottom Layer w0.2: v1(97,33.3) 97.8,33.3 100,35.5 111,35.5 v1(111.6,34.9)
  Bottom Layer w0.25: JP9.2@45.2,33.6 48.7,30.1 72.6,30.1 v1(75.8,33.3)
GPIO41: JP10.2 U1.89 U8.71 | length 112.8
  Top Layer w0.2: v1(75.9,29.6) 75.9,30 76.15,30.25 U1.89@76.15,31.075 ; v1(81.8,19.3) 81.8,16.11 87.01,10.9 115.6,10.9 119.8,15.1 119.8,25.8 121.25,27.25 U8.71@121.25,28.75
  Bottom Layer w0.25: JP10.2@45.2,37.6 44,36.4 44,32.5 46.9,29.6 v1(75.9,29.6) 75.9,24.501 81.101,19.3 v1(81.8,19.3)
GPIO42: U1.130 U8.51 | length 15.6
  Top Layer w0.2: U1.130@96.65,31.075 96.65,30.041 97.391,29.3 107,29.3 109.15,31.45 U8.51@110.05,31.45
GPIO43: U1.131 U8.50 | length 14.9
  Top Layer w0.2: U1.131@97.15,31.075 97.15,30.178 97.628,29.7 106.8,29.7 109.05,31.95 U8.50@110.05,31.95